# Altium PCB pcb_v1.PcbDoc (part 2 of 5) (continued)
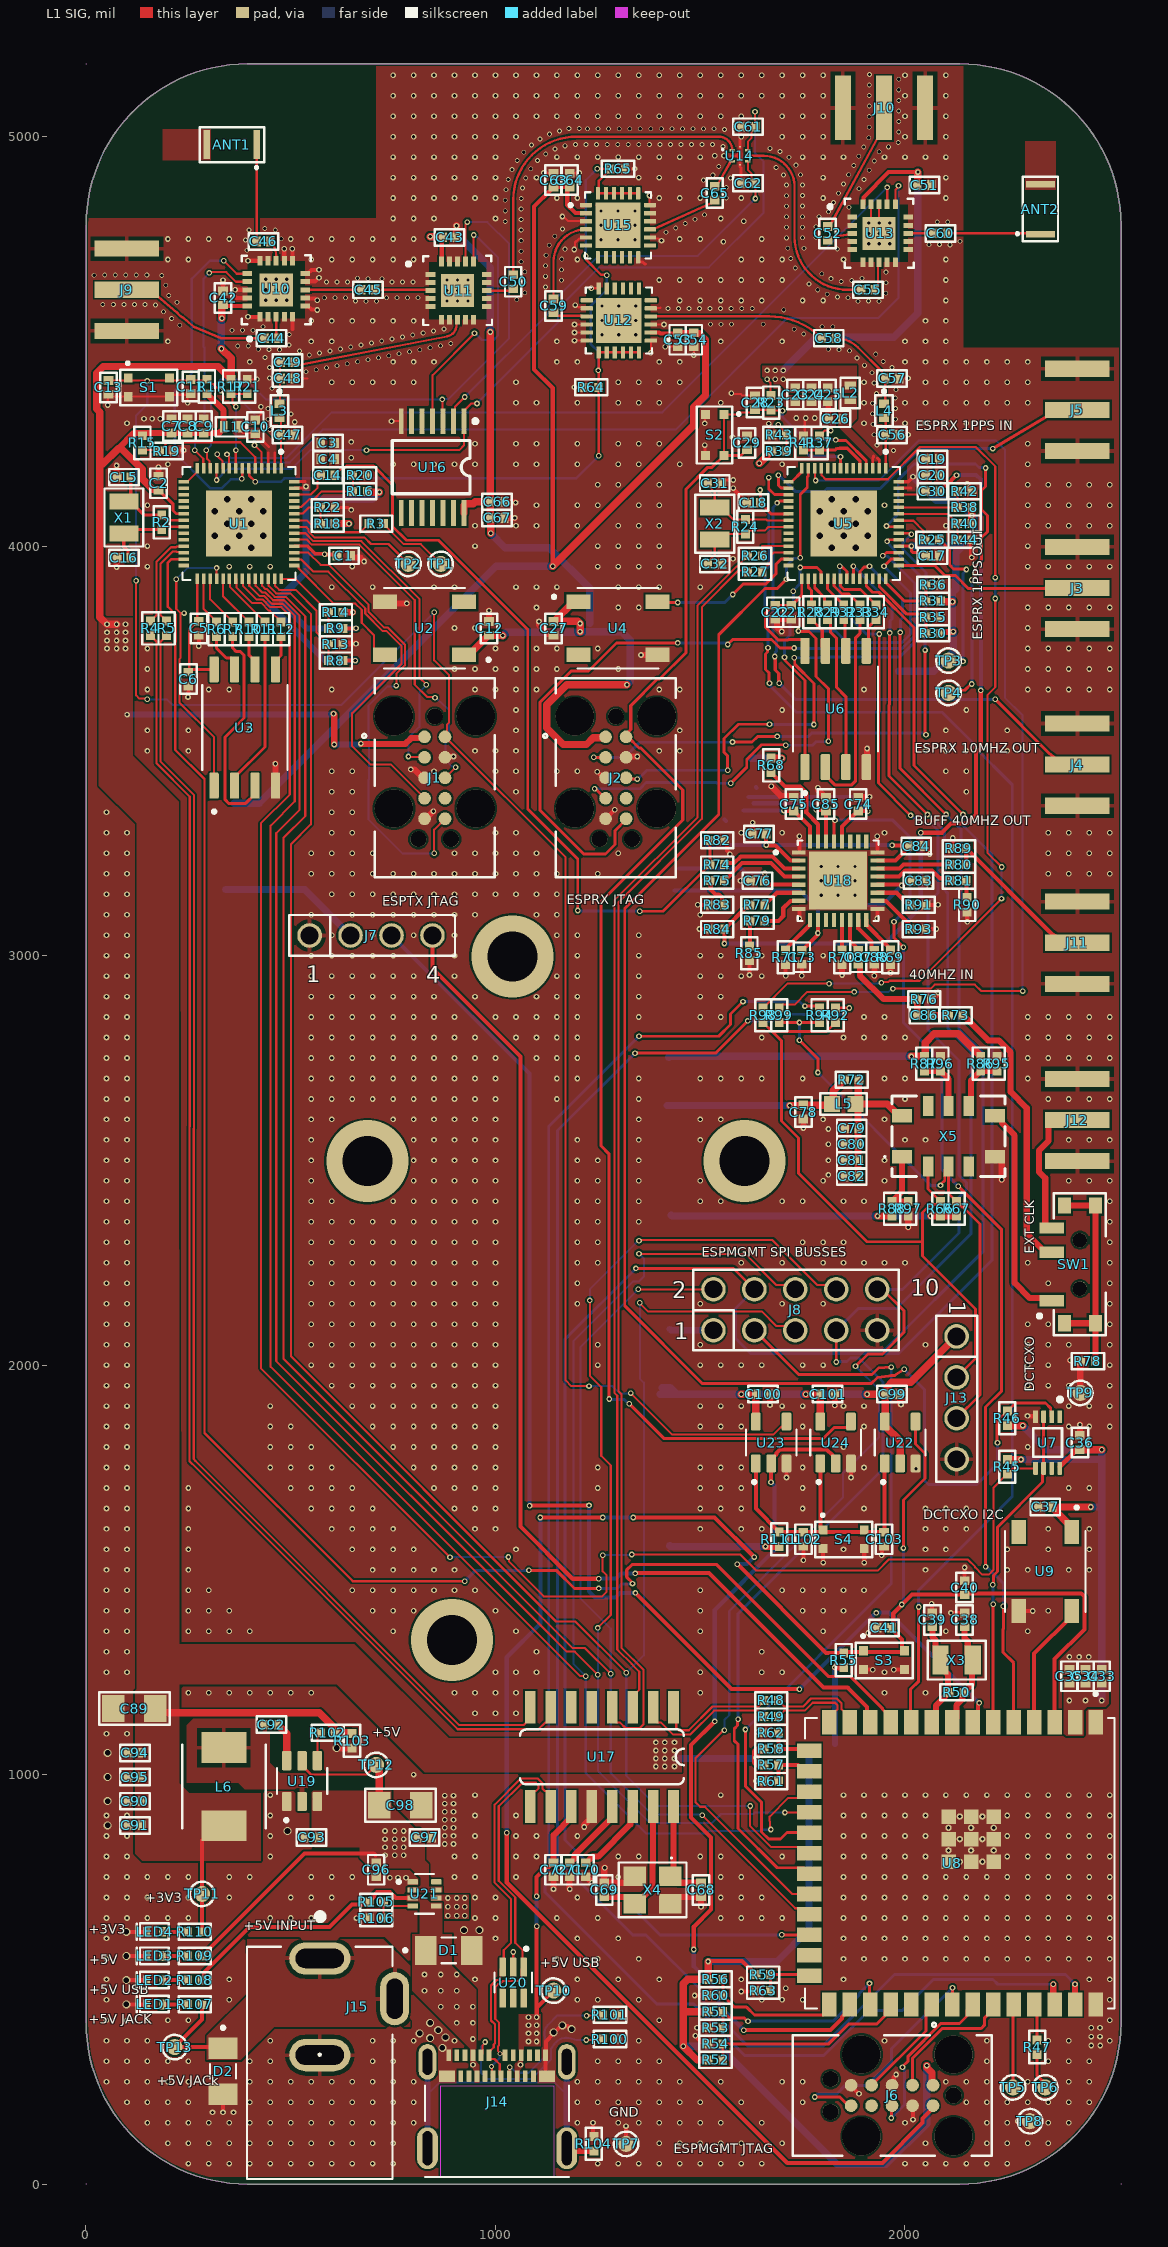
[diagram p0: L1 SIG view]
## Nets (pads, with @x,y where several pads share a name; then routed paths per layer and width w, separated by ;. In a path a pad name is that pad's centre, name@x,y a point inside that pad or via, vN(x,y) a via of type N, cw(c..) or ccw(c..) an arc to the next point about the centre after c; other vN are vias at no path point) (continued)
  L1 SIG w15: C53.2@1444.88,4520.87 C54.2@1484.25,4520.87
  L1 SIG w18: TP12.1@708.66,1023.62 708.66,1017.84 716.54,1009.97 C98.2@716.54,925.2 ; v1(1139.86,3950.69) 1484.5,4295.33 1484.5,4339.67 1512.94,4368.1 1512.94,4504.63 1498.33,4519.24 1485.88,4519.24 C54.2@1484.25,4520.87
  L4 SIG w18: 340.55,3161.42 533.86,3161.42 J7.2@646.06,3049.21 ; 362.2,3372.05 422.67,3372.05 1001.31,3950.69 v1(1139.86,3950.69)
  other v1: 730.32,803.15 753.94,803.15 775.59,803.15 730.32,822.83 753.94,822.83 775.59,822.83 730.32,842.52 753.94,842.52 775.59,842.52 730.32,862.2 753.94,862.2 775.59,862.2
+5V_JACK: D2.C J15.1 J15.3 R107.1 TP13.1 U21.6 | length 298.8
  L1 SIG w10: R107.1@277.64,433.15 R107.1@283.46,438.98 283.46,401.57 TP13.1@216.54,334.65 331.89,334.65 D2.C@334.65,331.89 325.59,331.89 D2.C@304.21,310.51
  other v1: 883.86,655.51 905.51,655.51 925.2,655.51 883.86,677.17 905.51,677.17 925.2,677.17 883.86,698.82 905.51,698.82 925.2,698.82
+5V_USB: C72.2 D1.C J14.A4 J14.A9 J14.B4 J14.B9 R105.1 R108.1 TP10.1 U17.11 U21.3 U21.5 | length 1258
  L1 SIG w10: R108.1@283.46,498.03 288.01,502.58 288.01,516.35 399.61,627.95 594.3,627.95 649.49,683.15 685.12,683.15 R105.1@690.94,688.98 702.68,700.71 702.68,705.14 710.22,712.68 742.54,712.68 756.4,698.82 U21.3@797.83,698.82 ; v1@1100.39,631.89 v1(1100.39,407.48) 1101.12,408.2 1101.12,431.83 TP10.1@1141.73,472.44 ; v1(1100.39,702.76) 1099.94,703.21 1099.94,749.65 1124.59,774.29 1130.2,774.29 1134.92,779.02 1136.1,779.02 C72.2@1141.73,784.65
  L1 SIG w15: C72.2@1141.73,784.65 1141.73,852.2 1184.84,895.31 U17.11@1184.84,922.31
  L4 SIG w10: v1(1100.39,702.76) 1100.61,702.54 1100.61,630.18 v1(1100.83,629.97)
  other v1: 1061.02,291.34 945.18,291.51 1080.71,348.43 1100.39,348.43 944.88,354.33 1080.71,368.11 1100.39,368.11 1080.71,387.8 1100.39,387.8 905.51,393.7 944.88,393.7 1080.71,407.48 866.14,433.07 905.51,433.07 944.88,433.07 826.77,472.44 866.14,472.44 905.51,472.44 826.77,511.81 866.14,511.81 905.51,511.81
BUFF_40MHZ_ESPRX_N: R79.2 R85.2 | length 61.8
  L1 SIG w10: R85.2@1620.08,3023.62 1621.06,3024.61 1621.06,3083.66 R79.2@1622.05,3084.65
BUFF_40MHZ_ESPRX_P: C30.1 R77.2 R84.2 | length 1920.7
  L1 SIG w10: v1(1559.06,3029.53) R84.2@1559.06,3064.96 1612.28,3118.19 1616.22,3118.19 R77.2@1622.05,3124.02 ; v1(2038.43,3300.16) 2089.92,3300.16 2112.36,3322.6 2150.8,3322.6 2173.23,3345.03 2173.23,3494.51 2185.04,3506.32 v1(2185.04,3647.64) ; C30.1@2083.86,4133.86 2083.86,4135.04 2097.36,4148.54 2101.3,4148.54 v1(2125.98,4173.23)
  L4 SIG w10: v1(1559.06,3029.53) 1950.79,3029.53 2038.43,3117.17 v1(2038.43,3300.16) ; v1(2125.98,4173.23) 2126.71,4173.95 2173.56,4173.95 2185.28,4162.24 2185.28,4136.48 2185.16,4112.88 ccw(c2242.52,4112.6) 2185.16,4112.6 2185.16,3647.76 v1(2185.04,3647.64)
BUFF_40MHZ_ESPRX_R_N: R79.1 U18.7 | length 115.4
  L1 SIG w10: R79.1@1657.48,3084.65 1691.04,3084.65 1702.76,3096.36 1702.76,3116.43 1720.06,3133.74 1740.63,3133.74 U18.7@1740.75,3133.86
BUFF_40MHZ_ESPRX_R_P: R77.1 U18.6 | length 95.5
  L1 SIG w10: R77.1@1657.48,3124.02 1687.01,3153.54 U18.6@1740.75,3153.54
BUFF_40MHZ_ESPTX_N: R75.2 R83.2 | length 78.4
  L1 SIG w10: R75.2@1523.62,3183.07 1525.59,3181.1 1525.59,3161.32 1537.31,3149.61 1545.28,3149.61 1553.23,3141.65 1553.23,3129.84 R83.2@1559.06,3124.02
BUFF_40MHZ_ESPTX_P: C14.1 R74.2 R82.2 | length 1872.3
  L1 SIG w7: C14.1@607.48,4173.23 607.48,4174.41 622.48,4189.41 630.02,4189.41 636.04,4195.43 702.55,4195.43 748.58,4149.4 748.58,4048.33 782.38,4014.53 860.56,4014.53 1078.74,3796.35 1078.74,3357.79 1200.79,3235.74 v1(1200.79,3110.24) ; v1(1352.36,3108.27) 1409.45,3108.27 R74.2@1523.62,3222.44 R82.2@1523.62,3281.5
  L4 SIG w7: v1(1200.79,3110.24) 1201.77,3109.25 1351.38,3109.25 v1(1352.36,3108.27)
BUFF_40MHZ_ESPTX_R_N: R75.1 U18.4 | length 213.8
  L1 SIG w10: R75.1@1559.06,3183.07 1574.72,3198.74 1575.21,3198.74 1582.76,3206.28 1582.76,3206.77 1602.36,3226.38 1672.69,3226.38 1706.04,3193.03 1740.63,3193.03 U18.4@1740.75,3192.91
BUFF_40MHZ_ESPTX_R_P: R74.1 U18.3 | length 202.1
  L1 SIG w10: R74.1@1559.06,3222.44 1562.52,3225.91 1582.8,3225.91 1599.02,3242.13 1676.03,3242.13 1705.44,3212.72 1740.63,3212.72 U18.3@1740.75,3212.6
BUFF_40MHZ_MGMT: U8.5 U18.29 | length 2587.4
  L1 SIG w7.5: U18.29@1826.77,3278.94 1826.77,3326.8 1828.98,3329.01 v1(1828.98,3330.71) ; v1(1973.13,3082.82) 1973.13,3043.31 v1@1996.29,3020.15 ; v1(2129.92,2437.01) 2236.22,2330.71 2236.22,1937.01 2196.85,1897.64 v1(2196.85,1507.87) ; v1(2240.16,1411.42) 2240.16,1355.14 2238.88,1353.87 2238.88,1299.28 2265.35,1272.82 U8.5@2265.35,1127.95
  L4 SIG w7.5: v1(1828.98,3330.71) 1970.47,3330.71 2012.77,3288.42 2012.77,3122.46 v1(1973.13,3082.82) ; v1(1996.06,3020.2) 1996.06,2836.61 2090.55,2742.13 2090.55,2476.38 v1(2129.92,2437.01) ; v1(2196.85,1507.87) 2198.55,1507.87 2220.96,1485.46 2222.19,1485.46 2240.16,1467.5 v1(2240.16,1411.42)
BUFF_40MHZ_UFL_N: R81.2 R90.2 | length 42.2
  L1 SIG w10: R81.2@2149.61,3183.07 2150.59,3182.09 2150.59,3142.72 R90.2@2151.57,3141.73
BUFF_40MHZ_UFL_P: J11.1 R80.2 R89.2 | length 395
  L1 SIG w10: R80.2@2149.61,3222.44 R89.2@2149.61,3258.86 ; R89.2@2152.56,3258.86 2350.69,3060.73 ccw(c2421.26,3131.3) J11.1@2421.26,3031.5
BUFF_40MHZ_UFL_R_N: R81.1 U18.21 | length 198.1
  L1 SIG w10: U18.21@1932.48,3192.91 1985.73,3192.91 2000.57,3207.76 2066.36,3207.76 2085.21,3188.9 2108.35,3188.9 R81.1@2114.17,3183.07
BUFF_40MHZ_UFL_R_P: R80.1 U18.22 | length 185.8
  L1 SIG w10: U18.22@1932.48,3212.6 1986.32,3212.6 1996.17,3222.44 R80.1@2114.17,3222.44
DCTCXO_A0: R87.1 R96.2 X5.8 | length 133.2
  L1 SIG w15: R87.1@2047.24,2718.5 R96.2@2086.61,2718.5 2106.3,2698.82 X5.8@2106.3,2632.87
DCTCXO_A1: R86.1 R95.2 X5.7 | length 136.9
  L1 SIG w15: X5.7@2156.3,2632.87 2161.59,2638.17 2161.59,2695.06 R86.1@2185.04,2718.5 R95.2@2224.41,2718.5
DCTCXO_OE: R88.1 R97.2 X5.1 | length 159
  L1 SIG w15: X5.1@1993.11,2509.06 1993.11,2424.21 R88.1@1968.5,2399.61 R97.2@2007.87,2399.61
DCTCXO_SCL: J13.3 R67.1 R94.2 R99.2 X5.3 | length 1378.9
  L1 SIG w7: R99.2@1692.91,2836.61 v1(1742.13,2836.61) R94.2@1791.34,2836.61 ; v1(1742.13,2793.31) 1787.4,2748.03 v1(1787.4,2714.57) ; v1(2086.61,2438.98) 2086.61,2440.81 2097,2451.2 2097,2475.94 X5.3@2106.3,2485.24 2106.3,2419.29 R67.1@2125.98,2399.61 2139.22,2386.37 2141.52,2386.37 2182.98,2344.92 2182.98,1927.07 J13.3@2125.98,1870.08
  L4 SIG w7: v1(1742.13,2793.31) v1(1742.13,2836.61) ; v1(1787.4,2714.57) 2062.99,2438.98 v1(2086.61,2438.98)
DCTCXO_SDA: J13.2 R66.1 R92.2 R98.2 X5.2 | length 1568.9
  L1 SIG w7: R98.2@1653.54,2836.61 1675.74,2814.41 ; R92.2@1830.71,2836.61 1808.51,2814.41 1675.74,2814.41 ; X5.2@2056.3,2485.24 2056.3,2429.92 R66.1@2086.61,2399.61 2079.29,2392.28 2062.26,2392.28 2042.6,2372.62 2042.6,2301.18 ; J13.2@2125.98,1970.08 2172.48,2016.57 2172.48,2136.83 2042.6,2266.7 2042.6,2301.18 ; 1675.74,2814.41 1698.11,2792.04 1698.11,2596.46 1740.16,2554.41 1740.16,2468.5 1907.48,2301.18 2042.6,2301.18
ESPMGMT_32K_N: C39.2 R50.1 U8.9 X3.2 | length 268
  L1 SIG w15: U8.9@2065.35,1127.95 2075.57,1138.17 2075.57,1168.09 R50.1@2108.27,1200.79 2104.94,1204.11 2104.94,1245.45 2086.61,1263.78 X3.2@2086.61,1279.53 2074.43,1291.71 2074.43,1329.11 2066.93,1336.61 C39.2@2066.93,1361.02
ESPMGMT_32K_P: C38.2 R50.2 U8.8 X3.1 | length 274.9
  L1 SIG w15: U8.8@2115.35,1139.76 U8.8@2115.35,1127.95 2125.57,1138.17 2125.57,1168.88 2140.37,1183.68 2140.37,1197.46 R50.2@2143.7,1200.79 2163.39,1220.47 2163.39,1277.56 X3.1@2165.35,1279.53 2153.17,1291.71 2153.17,1325.18 2145.67,1332.68 C38.2@2145.67,1361.02 C38.2@2146.85,1361.02
ESPMGMT_GPIO0: R56.1 R60.2 U8.27 | length 336.8
  L1 SIG w7.5: R56.1@1555.12,500 R60.2@1555.12,460.63 1583.49,432.26 1613.34,432.26 1632.4,413.2 1801.39,413.2 1815.35,427.17 U8.27@1815.35,438.98
ESPMGMT_GPIO3: R58.1 R62.2 U8.15 | length 116.4
  L1 SIG w10: R62.2@1690.94,1102.36 R58.1@1690.94,1062.99 1761.61,1062.99 U8.15@1766.14,1058.46
ESPMGMT_GPIO4: U8.4 U9.4 | length 309.8
  L1 SIG w10: U8.4@2315.35,1127.95 2315.35,1295.67 2407.48,1387.8 U9.4@2407.48,1399.61
ESPMGMT_GPIO45: R59.1 R63.2 U8.26 | length 135.6
  L1 SIG w7.5: R63.2@1671.26,472.44 R59.1@1671.26,511.81 1762.8,511.81 U8.26@1766.14,508.46
ESPMGMT_GPIO46: R57.1 R61.2 U8.16 | length 120.8
  L1 SIG w10: R61.2@1690.94,984.25 R57.1@1690.94,1023.62 1739.17,1023.62 1754.33,1008.46 U8.16@1766.14,1008.46
ESPMGMT_I2C_SCL: R94.1 U8.38 | length 4222
  L1 SIG w7: v1(1350.39,2803.15) 1545.28,2803.15 1574.15,2832.03 1574.15,2857.62 v1(1604.33,2887.8) ; v1(1755.65,2876.75) 1786.64,2876.75 R94.1@1791.34,2872.05
  L1 SIG w15: v1(2362.2,488.19) 2362.2,442.13 U8.38@2365.35,438.98
  L4 SIG w7: v1(1350.39,2803.15) 1129.92,2582.68 1129.92,760.55 1121.34,751.97 1121.34,712.03 1393.13,440.24 1482.99,440.24 1609.58,313.65 1801.18,313.65 1911.82,424.29 1993.18,424.29 2068.9,500 2214.57,500 2226.38,488.19 v1(2362.2,488.19) ; v1(1604.33,2887.8) 1742.77,2887.8 1753.82,2876.75 v1(1755.65,2876.75)
ESPMGMT_I2C_SDA: R92.1 U8.39 | length 4248.3
  L1 SIG w7: v1(1340.55,2761.81) 1537.4,2761.81 v1(1616.14,2840.55) ; R92.1@1830.71,2872.05 v1(1864.17,2872.05)
  L1 SIG w15: U8.39@2415.35,438.98 v1(2415.35,488.19)
  L4 SIG w7: v1(1340.55,2761.81) 1151.57,2572.83 1151.57,792.03 1335.69,607.92 1367.77,607.92 1506.61,469.08 1506.61,446.84 1616.83,336.61 1799.21,336.61 1974.41,511.81 2391.73,511.81 v1(2415.35,488.19) ; v1(1616.14,2840.55) 1676.05,2840.55 1692.5,2857 1750.57,2857 1751.22,2856.36 1848.49,2856.36 v1(1864.17,2872.05)
ESPMGMT_ID0: R51.1 R53.2 U8.29 | length 499.9
  L1 SIG w7.5: R53.2@1555.12,381.89 R51.1@1555.12,421.26 1570.94,405.43 1607.55,405.43 1615.1,397.87 v1(1616.8,397.87) ; v1(1913.39,490.16) 1913.39,440.94 U8.29@1915.35,438.98
  L4 SIG w7.5: v1(1616.8,397.87) 1825.04,397.87 1887.9,460.74 1887.9,464.67 v1(1913.39,490.16)
ESPMGMT_ID1: R52.1 R54.2 U8.30 | length 497.6
  L1 SIG w7.5: R52.1@1555.12,303.15 R54.2@1555.12,342.52 1814.14,342.52 1862.65,391.03 1931.09,391.03 1951.39,411.33 1951.39,425.01 U8.30@1965.35,438.98
ESPMGMT_LCD_SCL: J7.3 U8.7 | length 3171.1
  L1 SIG w10: v1@1082.68,1657.48 v1(1228.35,1657.48) ; v1(1341.63,1443.8) 1576.77,1208.66 v1(1742.13,1208.66) ; U8.7@2165.35,1127.95 2178.07,1140.67 2178.07,1171.14 2181.1,1174.17 v1(2181.1,1175.2)
  L4 SIG w10: J7.3@746.06,3049.21 1083.4,2711.88 v1(1083.4,1656.76) ; v1(1228.35,1657.48) 1228.35,1447.68 1243.2,1432.83 1293.19,1432.83 1303.44,1443.08 1340.91,1443.08 v1(1341.63,1443.8) ; v1(1742.13,1208.66) 1929.13,1395.67 1960.63,1395.67 v1(2181.1,1175.2)
  other v1: 1929.86,1394.95
ESPMGMT_LCD_SDA: J7.4 U8.12 | length 2613.4
  L1 SIG w5: 1907.48,1165.25 1907.48,1165.35
  L1 SIG w10: J7.4@846.06,3049.21 846.06,2968.3 1061.02,2753.34 1061.02,1605.91 1188.58,1478.35 1252.11,1478.35 v1(1252.26,1478.5) ; v1(1341.18,1491.4) 1341.91,1492.13 1521.65,1492.13 1801.18,1212.6 1860.13,1212.6 1907.48,1165.25 1907.48,1135.83 U8.12@1915.35,1127.95
  L4 SIG w10: v1(1252.26,1478.5) 1294.3,1478.5 1306.47,1490.68 1340.46,1490.68 v1(1341.18,1491.4)
ESPMGMT_MTCK: J6.4 U8.32 | length 258.3
  L1 SIG w7: J6.4@1918.5,241.54 2051.14,374.17 2051.14,424.76 U8.32@2065.35,438.98
ESPMGMT_MTDI: J6.8 U8.34 | length 421.8
  L1 SIG w7.5: v1(1966.54,161.42) 1967.52,162.4 1967.52,190.55 J6.8@1968.5,191.54 ; v1(1994.09,285.43) 1994.09,287.13 2007.67,300.71 2007.67,312.6 2087.4,392.33 2133.33,392.33 2151.39,410.39 2151.39,425.01 U8.34@2165.35,438.98
  L4 SIG w7.5: v1(1966.54,161.42) 1998.99,193.87 1998.99,278.84 1994.09,283.73 v1(1994.09,285.43)
ESPMGMT_MTDO: J6.6 U8.33 | length 603.8
  L1 SIG w7.5: v1(1779.53,212.6) 1779.75,212.82 1840.86,212.82 1862.14,191.54 J6.6@1868.5,191.54 ; U8.33@2115.35,438.98 2116.14,439.76 v1(2116.14,479.61)
  L4 SIG w7.5: v1(1779.53,212.6) 1787.18,220.25 1833.52,220.25 1854.37,241.11 1907.87,241.11 1967.55,300.79 1967.55,331.02 v1(2116.14,479.61)
ESPMGMT_MTMS: J6.2 U8.35 | length 334.8
  L1 SIG w7.5: J6.2@2018.5,241.54 2018.5,282.62 2018.67,282.79 2018.67,308.04 2090.66,380.03 2185.91,380.03 2194.7,388.81 2194.7,406.51 2215.35,427.17 U8.35@2215.35,438.98
ESPMGMT_R_USB_D_N: R48.1 U8.13 | length 227.7
  L1 SIG w5.17: R48.1@1690.94,1181.1 1699.19,1172.86 1699.19,1172.56 1705.24,1166.5 1751.33,1166.5 1770.57,1185.75 1833.42,1185.75 1845.44,1173.73 1845.44,1159.68 1865.35,1139.76 U8.13@1865.35,1127.95
ESPMGMT_R_USB_D_P: R49.1 U8.14 | length 210.8
  L1 SIG w5.17: R49.1@1690.94,1141.73 1699.19,1149.97 1699.19,1150.28 1705.24,1156.33 1755.54,1156.33 1774.79,1175.58 1829.21,1175.58 1835.27,1169.52 1835.27,1159.68 1815.35,1139.76 U8.14@1815.35,1127.95
ESPMGMT_RST: C40.2 C41.2 J6.10 R55.1 S3.1 S3.3 U8.3 U22.4 | length 4843.4
  L1 SIG w7: v1(1996.06,1553.15) 1996.06,1670.29 2048.78,1723.01 2048.78,1784.48 2025.59,1807.66 U22.4@2025.59,1862.2
  L1 SIG w10: v1(1027.56,858.27) 1027.56,736.76 1712.53,51.79 1944.95,51.79 2043.27,150.11 2043.27,160.62 2068.5,185.85 J6.10@2068.5,191.54 ; v1(1109.53,1627.95) v1(1261.81,1627.95) ; v1(1336.61,1627.95) 1535.13,1627.95 v1(1631.89,1531.2) ; v1(1590.55,1513.78) 1807.09,1297.24 R55.1@1850.39,1297.24 1852.95,1299.8 1996.46,1299.8 S3.3@1999.02,1302.36 1993.19,1308.19 1993.19,1329.65 1965.75,1357.09 C41.2@1965.75,1358.27 1971.38,1363.9 1971.38,1393.58 1992.13,1414.33 v1(1992.13,1415.35) 1993.15,1415.35 2017.56,1439.76 C40.2@2145.67,1439.76 2147.91,1442.01 2430.53,1442.01 2438.07,1434.47 2438.07,1354.85 2365.35,1282.14 U8.3@2365.35,1127.95
  L4 SIG w7: v1(1992.13,1415.35) 1996.06,1419.29 v1(1996.06,1553.15)
  L4 SIG w10: v1(1027.56,858.27) 1027.56,1286.57 1110.24,1369.25 1110.24,1627.25 v1(1109.53,1627.95) ; v1(1261.81,1627.95) v1(1336.61,1627.95) ; v1(1590.55,1513.78) 1591.27,1514.5 1614.17,1514.5 1630.87,1531.2 v1(1631.89,1531.2)
ESPMGMT_SYS_RST: U8.28 U23.2 U24.2 | length 2056.1
  L1 SIG w10: v1(1484.25,572.83) 1484.25,628.49 1526.65,670.89 1526.65,846.12 1477.48,895.29 1477.48,1071.97 v1(1535.43,1129.92) ; v1(1606.3,375.98) 1817.81,375.98 1845.94,404.12 1845.94,407.76 1865.35,427.17 U8.28@1865.35,438.98 ; v1(1672.75,1713.79) 1672.99,1714.03 1672.99,1759.6 U23.2@1673.23,1759.84 1673.23,1769.68 1685.94,1782.4 1685.94,1785.1 1695.22,1794.37 1808.72,1794.37 1823.9,1779.19 1823.9,1766.65 U24.2@1830.71,1759.84
  L4 SIG w10: v1(1484.25,572.83) 1484.25,531.5 1544.91,470.83 1544.91,437.37 v1(1606.3,375.98) ; v1(1535.43,1129.92) 1535.43,1402.11 1681.34,1548.02 1681.34,1706.46 v1@1673.23,1714.57
ESPMGMT_UART0_RX: TP5.1 U8.36 | length 203.4
  L1 SIG w7.5: TP5.1@2263.78,236.22 2263.78,437.4 U8.36@2265.35,438.98
ESPMGMT_UART0_TX: R47.1 TP6.1 | length 88.9
  L1 SIG w7.5: R47.1@2322.83,316.93 2322.83,264.53 2342.52,244.84 TP6.1@2342.52,236.22
ESPMGMT_USB_D_N: R48.2 U17.1 | length 299.5
  L1 SIG w5.17: U17.1@1434.84,1164.31 1441.37,1157.78 1441.37,1114.44 1447.43,1108.38 1471.97,1108.38 1530.09,1166.5 1641.21,1166.5 1647.27,1172.56 1647.27,1172.86 R48.2@1655.51,1181.1
ESPMGMT_USB_D_P: R49.2 U17.2 | length 344.2
  L1 SIG w5.17: U17.2@1384.84,1164.31 1384.84,1137.31 1395.26,1126.89 1404.47,1126.89 1433.14,1098.21 1476.19,1098.21 1534.3,1156.33 1641.21,1156.33 1647.27,1150.28 1647.27,1149.97 R49.2@1655.51,1141.73
ESPRX_1PPS_CH0_OUT: U5.14 U5.15 | length 50.9
  L1 SIG w7: U5.15@1715.55,4157.48 1724.02,4157.48 1748.03,4181.5 U5.14@1748.03,4189.96
ESPRX_1PPS_IN_UFL: J5.1 U5.16 | length 865.3
  L1 SIG w7: v1(1690.94,4173.23) 1691.13,4173.04 1691.13,4148.33 1697.73,4141.73 U5.16@1715.55,4141.73
  L1 SIG w7.5: v1(2214.57,4238.19) 2346.27,4316.74 J5.1@2421.26,4332.68
  L4 SIG w7: v1(1690.94,4173.23) 1692.64,4173.23 1732.01,4133.86 1803.31,4133.86 1809.96,4140.51 1939.72,4140.51 2037.4,4238.19 v1(2214.57,4238.19)
ESPRX_1PPS_OUT: U5.17 U8.10 | length 3691.1
  L1 SIG w7: v1(1665.35,3751.97) 1664.06,3750.67 1664.06,3741.22 1659.59,3736.75 1659.59,3699.08 1667.84,3690.84 1667.84,3666.65 v1(1669.13,3665.35) ; v1(1667.32,4167.32) 1667.32,4139.76 1681.1,4125.98 U5.17@1715.55,4125.98 ; U8.10@2015.35,1127.95 2013.78,1129.53 2013.78,1208.37 2033.46,1228.05 v1(2033.46,1409.45)
  L4 SIG w7: v1(1665.35,3751.97) 1665.35,3844.3 1658.3,3851.36 1658.3,3941.85 1667.32,3950.88 v1(1667.32,4167.32) ; v1(1669.13,3665.35) 1670.43,3664.06 1670.43,3659 1734.94,3594.49 2090.55,3594.49 2167.32,3517.72 2167.32,3511.81 2261.81,3417.32 2261.81,1679.13 2033.46,1450.79 v1(2033.46,1409.45)
ESPRX_1PPS_OUT_UFL: J3.1 U5.43 | length 380.9
  L1 SIG w7: U5.43@1985.24,3952.76 2072.5,3952.76 2097.29,3927.96 2123.22,3927.96 2154.5,3896.68 2341.56,3896.68 J3.1@2342.52,3897.64
ESPRX_10MHZ_OUT_UFL: J4.1 U5.18 | length 1289.8
  L1 SIG w7: v1(1687.71,4105.59) 1689.41,4105.59 1694.05,4110.24 U5.18@1715.55,4110.24
  L1 SIG w7.5: v1(1682.07,3730.4) 1683.28,3729.2 1683.28,3697.5 1691.71,3689.06 1691.71,3666.56 v1(1692.91,3665.35) ; v1(2220.47,3625.98) 2350.69,3495.77 ccw(c2421.26,3566.34) J4.1@2421.26,3466.54
  L4 SIG w7: v1(1682.07,3730.4) 1683.28,3731.6 1683.28,3740.7 1685.99,3743.42 1685.99,3774.87 1678.07,3782.79 1678.07,4094.26 1687.71,4103.9 v1(1687.71,4105.59)
  L4 SIG w7.5: v1(1692.91,3665.35) 1732.28,3625.98 v1(2220.47,3625.98)
ESPRX_32K_N: C32.2 R24.1 U5.22 X2.2 | length 259.2
  L1 SIG w5: C32.2@1518.5,3956.69 1526.63,3964.82 1526.63,3969.76 1535.43,3978.56 X2.2@1535.43,4015.75 1549.21,4029.53 R24.1@1610.24,4029.53 1618.56,4037.85 1657.21,4037.85 1666.6,4047.24 U5.22@1715.55,4047.24
ESPRX_32K_P: C31.2 R24.2 U5.21 X2.1 | length 259.2
  L1 SIG w5: C31.2@1518.5,4153.54 1526.63,4145.41 1526.63,4140.47 1535.43,4131.67 X2.1@1535.43,4094.49 1551.18,4094.49 1580.71,4064.96 R24.2@1610.24,4064.96 1661.45,4064.96 1663.42,4062.99 U5.21@1715.55,4062.99
ESPRX_GPIO0: R37.1 R41.2 U5.5 | length 171.1
  L1 SIG w7: U5.5@1889.76,4189.96 1889.76,4208.66
  L1 SIG w7.5: R41.2@1751.97,4234.25 R37.1@1791.34,4234.25 1829.19,4234.25 1833.76,4238.83 1839.58,4238.83 1839.79,4239.04 1859.39,4239.04 1889.76,4208.66
ESPRX_GPIO3: R39.1 R43.2 U5.8 | length 285.7
  L1 SIG w5: v1(1690.36,4296.59) 1690.36,4294.89 1702.3,4282.95 1702.3,4279.98 R43.2@1710.63,4271.65 R39.1@1710.63,4232.28
  L1 SIG w7: U5.8@1842.52,4189.96 v1(1842.52,4218.4)
  L4 SIG w7: v1(1690.36,4296.59) 1768.45,4218.5 1842.41,4218.5 v1(1842.52,4218.4)
ESPRX_GPIO21: U4.4 U5.27 | length 378.5
  L1 SIG w7: v1(1579.47,3881.89) 1604.93,3907.35 1660.01,3907.35 1674.44,3921.78 1685.04,3932.38 1685.04,3955.81 1697.78,3968.55 1712.89,3968.55 1712.93,3968.5 U5.27@1715.55,3968.5
  L1 SIG w7.5: U4.4@1395.67,3864.17 1397.64,3862.2 v1(1444.88,3862.2)
  L4 SIG w7: v1(1444.88,3862.2) 1559.78,3862.2 v1(1579.47,3881.89)
ESPRX_GPIO45: R40.1 R44.2 U5.51 | length 191.9
  L1 SIG w5: U5.51@1985.24,4078.74 2104.33,4078.74 R40.1@2127.95,4055.12 R44.2@2127.95,4015.75
ESPRX_GPIO46: R38.1 R42.2 U5.52 | length 182.1
  L1 SIG w5: U5.52@1985.24,4094.49 R38.1@2127.95,4094.49 R42.2@2127.95,4133.86
ESPRX_I2C_SCL: R99.1 U5.12 | length 2507.9
  L1 SIG w5: R99.1@1692.91,2872.05 1701.24,2880.37 1730.77,2880.37 1761.81,2911.42 v1(1875.98,2911.42) ; U5.12@1779.53,4189.96 1780.57,4188.92 1780.57,4161.26 v1(1781.7,4160.13) ; v1(1970.47,2919.29) 2062.62,2919.29 2072.68,2929.35 2170.87,2929.35 2186.83,2913.39 v1(2287.4,2913.39)
  L4 SIG w5: v1(1781.7,4160.13) 1935.69,4160.13 2033.13,4257.58 2222.6,4257.58 2244.09,4236.08 2244.09,3629.78 2287.4,3586.48 v1(2287.4,2913.39) ; v1(1875.98,2911.42) 1960.22,2911.42 1968.1,2919.29 v1(1970.47,2919.29)
ESPRX_I2C_SDA: R98.1 U5.11 | length 2267.5
  L1 SIG w5: R98.1@1653.54,2872.05 1712.89,2931.4 v1(1814.67,2931.4) ; U5.11@1795.28,4189.96 1796.32,4188.92 1796.32,4172.87 1805.8,4163.39 1957.98,4163.39 2036.72,4242.13 2173.09,4242.13 2220.47,4194.74 v1(2220.47,3923.23) ; v1(1942.44,2933.54) 1944.12,2935.22 1958.98,2935.22 1962.44,2938.68 2035.8,2938.68 2235.66,3138.54 v1(2235.66,3139.23) ; v1(2220.47,3872.05) 2220.47,3655.65 2201.08,3636.26 2201.08,3251.67 v1(2236.22,3216.54)
  L4 SIG w5: v1(1814.67,2931.4) 1933.23,2931.4 1933.69,2931.86 1940.76,2931.86 v1(1942.44,2933.54) ; v1(2220.47,3872.05) v1(2220.47,3923.23) ; v1@2234.25,3141.73 2236.22,3143.7 v1(2236.22,3216.54)
ESPRX_ID0: R30.1 R35.2 U5.41 | length 203.4
  L1 SIG w7: U5.41@1937.01,3920.28 1937.01,3901.37 2004.53,3833.85 2044.1,3833.85 R35.2@2051.18,3826.77 R30.1@2051.18,3787.4
ESPRX_ID1: R31.1 R36.2 U5.42 | length 165.2
  L1 SIG w7: U5.42@1952.76,3920.28 1952.76,3911.81 1998.42,3866.14 R31.1@2051.18,3866.14 R36.2@2051.18,3905.51
ESPRX_MTCK: J2.4 U5.44 | length 1513.6
  L1 SIG w7: v1(1242.13,3407.48) 1243.9,3407.48 1267.13,3384.25 J2.4@1268.9,3384.25 ; v1(1574.4,3420.8) 1574.4,3421.68 1579.88,3427.17 1580.71,3427.17 1613.57,3460.02 1613.57,3478.95 1649.62,3515 1707.44,3515 v1(1708.66,3513.78) ; v1(1739.74,3792.87) 1741.04,3791.58 1765.95,3791.58 1782.92,3774.61 1782.92,3681.87 1812.99,3651.79 v1(1812.99,3523.62) ; v1(1948.82,3950.79) 1966.49,3968.46 U5.44@1985.24,3968.5 U5.44@1985.24,3968.5
  L4 SIG w7: v1(1242.13,3407.48) 1352.69,3407.48 1367.7,3422.49 1539.51,3422.49 1541.21,3420.8 v1(1574.4,3420.8) ; v1(1708.66,3513.78) 1774,3513.78 1782.55,3522.32 1811.69,3522.32 v1(1812.99,3523.62) ; v1(1739.74,3792.87) 1830.09,3792.87 1857.92,3765.04 1992.7,3765.04 2013.09,3785.43 2013.78,3785.43 2013.78,3885.83 v1(1948.82,3950.79)
ESPRX_MTDI: J2.8 U5.47 | length 1379.6
  L1 SIG w7: J2.8@1318.9,3434.25 1322.05,3431.1 v1(1346.46,3431.1) ; v1(1566.93,3452.76) 1566.93,3488.06 1558.35,3496.63 1558.35,3530.1 1593.21,3564.96 v1(1669.29,3564.96) ; v1(1729.53,3727.39) 1730.82,3726.1 1730.82,3711.65 1777.56,3664.92 v1(1777.56,3564.4) ; v1(1956.38,4011.59) 1957.04,4011.59 1961.16,4015.7 U5.47@1985.24,4015.75 U5.47@1985.24,4015.75
  L4 SIG w7: v1(1346.46,3431.1) 1348.29,3431.1 1369.94,3452.76 v1(1566.93,3452.76) ; v1(1669.29,3564.96) 1669.85,3564.4 v1(1777.56,3564.4) ; v1(1729.53,3727.39) 1792.04,3727.39 1793.72,3729.07 1987.12,3729.07 2034.78,3776.73 2034.78,3929.79 1963.38,4001.19 1963.38,4002.75 1956.38,4009.75 v1(1956.38,4011.59)
ESPRX_MTDO: J2.6 U5.45 | length 1856
  L1 SIG w7: J2.6@1318.9,3334.25 1318.9,3332.33 1291.58,3305.01 1291.58,3270.99 1268.85,3248.26 1215.45,3248.26 1109.16,3354.56 1109.16,3619.35 1184.83,3695.03 1226.86,3695.03 1295.61,3763.78 v1(1444.88,3763.78) ; v1(1566.93,3759.84) 1579.44,3772.36 1673.8,3772.36 1694.99,3751.17 v1(1729.17,3751.17) ; v1(1945.87,3976.67) 1947.7,3976.67 1955.24,3984.21 1985.19,3984.21 U5.45@1985.24,3984.25
  L4 SIG w7: v1(1444.88,3763.78) 1561.16,3763.78 1565.09,3759.84 v1(1566.93,3759.84) ; v1(1729.17,3751.17) 1730.47,3749.87 1993.07,3749.87 2024.28,3781.08 2024.28,3908.79 1957.7,3975.37 1947.16,3975.37 v1(1945.87,3976.67)
ESPRX_MTMS: J2.2 U5.48 | length 1420.9
  L1 SIG w7: v1(1240.16,3484.25) J2.2@1268.9,3484.25 ; v1(1578.74,3521.65) 1626.63,3521.65 1640.37,3535.39 v1(1688.26,3535.39) ; U5.48@1985.24,4031.5 1985.28,4031.45 2011.69,4031.45 2013.91,4029.23 v1(2015.75,4029.23) ; v1(2049.21,3746.06) 2049.21,3541.34 v1(2051.18,3539.37)
  L4 SIG w7: v1(1240.16,3484.25) 1315.65,3484.25 1352.41,3521.01 1578.1,3521.01 v1(1578.74,3521.65) ; v1(1688.26,3535.39) 1763.81,3535.39 1772.43,3544.01 2044.7,3544.01 2049.35,3539.37 v1(2051.18,3539.37) ; v1(2015.75,4029.23) 2015.75,4028.84 1995.36,4008.45 1995.36,3991.55 2051.18,3935.73 2051.18,3842.8 2049.21,3840.83 v1(2049.21,3746.06)
ESPRX_R_USB_D_N: R26.1 U5.25 | length 87.6
  L1 SIG w5.17: R26.1@1651.57,3976.38 1651.57,4000 U5.25@1715.55,4000
ESPRX_R_USB_D_P: R27.1 U5.26 | length 95.7
  L1 SIG w5.17: R27.1@1651.57,3937.01 1659.82,3945.25 1659.82,3949.04 1665.87,3955.09 1666.73,3955.09 1672.86,3961.22 1672.86,3978.19 1678.92,3984.25 U5.26@1715.55,3984.25
ESPRX_RF: C56.2 L4.1 U5.1 | length 125.4
  L1 SIG w5.78: L4.1@1948.82,4313.7 1952.76,4309.76 1952.76,4271.65 U5.1@1952.76,4189.96
ESPRX_RST: C28.2 C29.2 J2.10 R23.1 S2.1 S2.3 U5.4 U24.4 | length 3814.3
  L1 SIG w5: S2.3@1557.87,4221.46 S2.3@1558.27,4221.46 S2.1@1558.27,4321.85 1595.74,4321.85 1600.47,4326.58 1626.98,4326.58 C28.2@1633.86,4333.46 1634.25,4333.07 1672.83,4333.07 1674.21,4331.69 1699.8,4331.69 v1(1700.79,4330.71)
  L1 SIG w7: v1(1831.03,4259.47) 1832.23,4258.26 1855.72,4258.26 1905.31,4208.68 1905.31,4206.9 1905.51,4206.69 U5.4@1905.51,4189.96
  L1 SIG w7.5: v1(1277.63,1917.32) 1277.63,2515.19 1257.49,2535.33 1257.49,3131.5 1457.39,3331.41 1457.39,3404.48 1355.01,3506.86 1350.55,3506.86 1323.16,3534.25 J2.10@1318.9,3534.25 1318.9,3540.61 1330.41,3552.12 1330.41,3610.55 1395.34,3675.49 1400.59,3675.49 1465.52,3740.42 1465.52,4139.44 1518.36,4192.27 1528.69,4192.27 S2.3@1557.87,4221.46 ; v1(1326.89,1905.51) 1411.97,1820.43 1799.7,1820.43 1826.53,1847.25 1860.05,1847.25 1868.11,1855.31 U24.4@1868.11,1862.2 U24.4@1866.17,1864.14 ; S2.3@1558.27,4221.46 1599.41,4221.46 1612.99,4235.04 C29.2@1614.17,4235.04
  L4 SIG w7: v1(1700.79,4330.71) 1700.79,4315.36 1756.11,4260.03 1830.46,4260.03 v1(1831.03,4259.47)
  L4 SIG w7.5: v1(1277.63,1917.32) 1278.83,1916.12 1314.58,1916.12 1325.22,1905.48 v1(1326.89,1905.51)